# KiCad board panelized.kicad_pcb (continued)
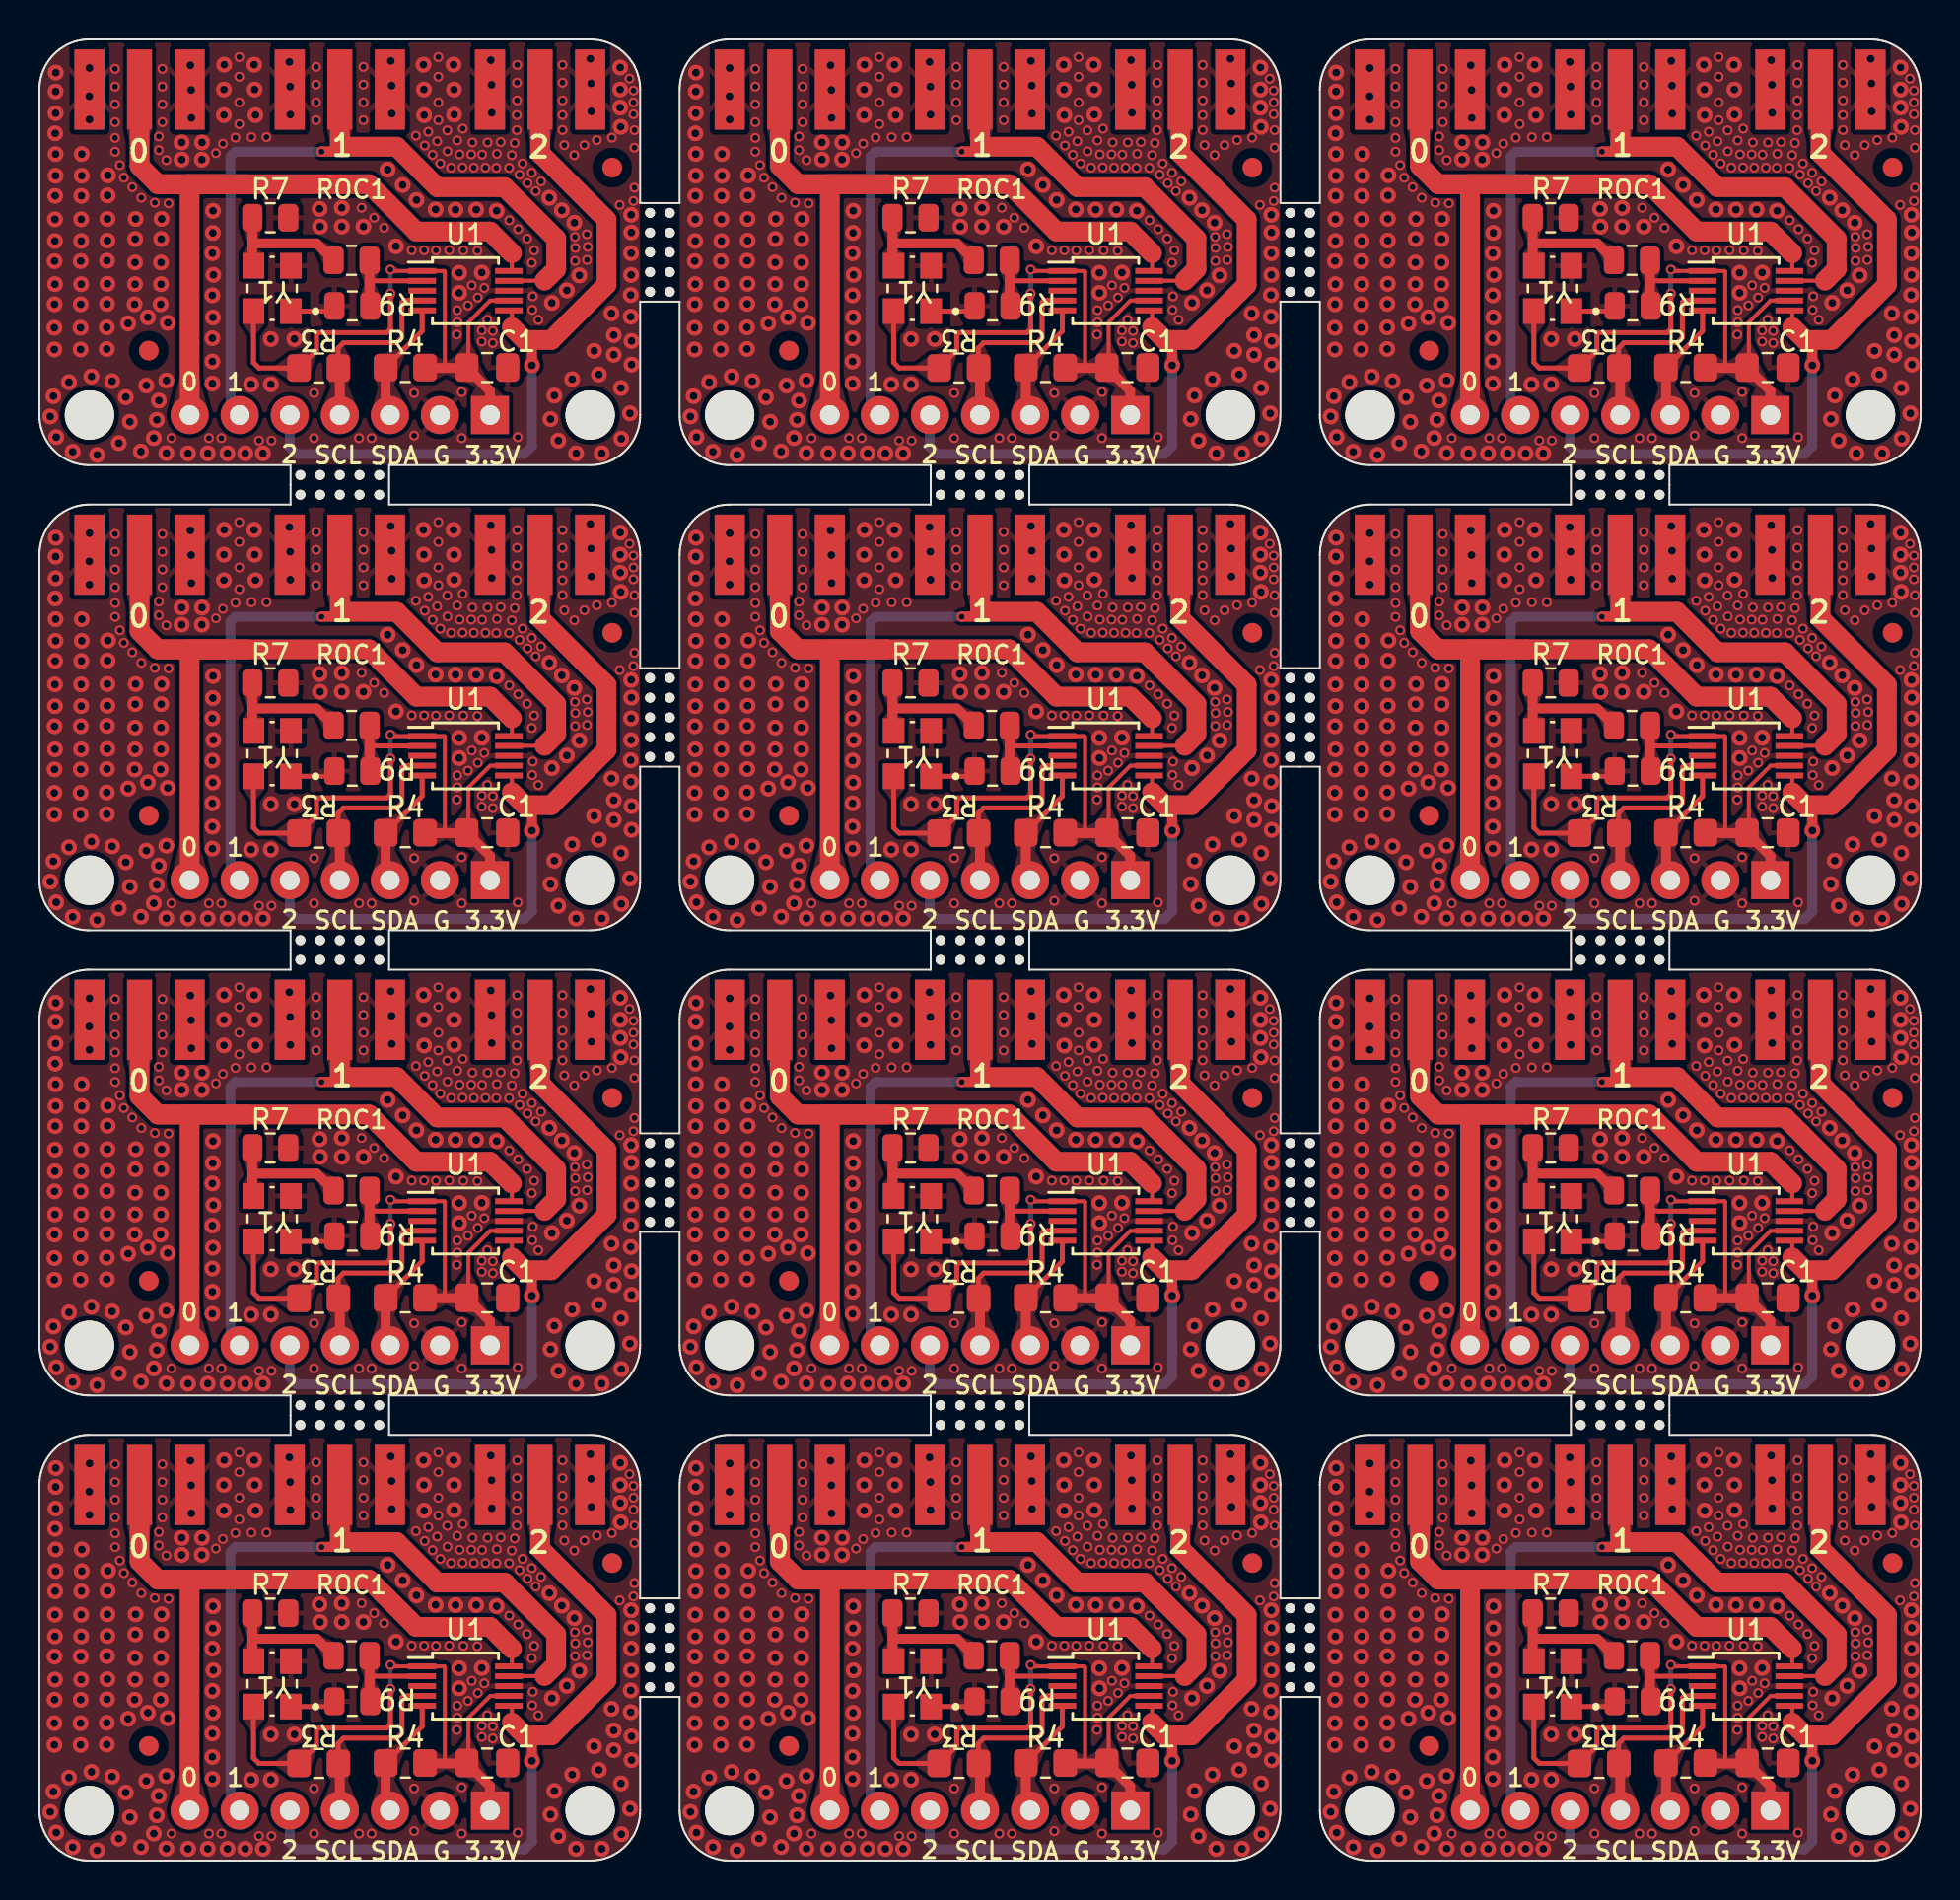
[diagram p0: board, top side]
## Routing (per net, layer and track width the routed paths; a pad name or vN(x,y) marks a point on that pad's centre or on a via; arc(x,y) is an arc through that point) (continued)
Board_11-Net-(U1-XA): length 5
  Top w0.25: U1#7.2 81.76,9.35 81.71,9.3
  Top w0.5: 81.71,8.11 ROC1#10.2
Board_11-Net-(Y1-OUT): length 6.9
  Top w0.5: 75.76,11.25 79.02,11.25 ROC1#10.1 ; 75.76,11.25 75.76,10.17 ; 75.76,11.25 R7#8.1

## Copper pours and planes (outline as drawn; the poured copper is in the pictures)
Board_0-GND on Top: -0.02,92.19 0.03,70.77 30.5,70.81 30.45,92.23
Board_0-GND on Bottom: 0,92.58 -0.01,70.76 30.51,70.83 30.52,92.65
Board_1-GND on Top: 32.46,92.19 32.51,70.77 62.98,70.81 62.93,92.23
Board_1-GND on Bottom: 32.48,92.58 32.47,70.76 62.99,70.83 63,92.65
Board_2-GND on Top: 64.94,92.19 64.99,70.77 95.46,70.81 95.41,92.23
Board_2-GND on Bottom: 64.96,92.58 64.95,70.76 95.47,70.83 95.48,92.65
Board_3-GND on Top: -0.02,68.6 0.03,47.18 30.5,47.22 30.45,68.64
Board_3-GND on Bottom: 0,68.99 -0.01,47.17 30.51,47.24 30.52,69.06
Board_4-GND on Top: 32.46,68.6 32.51,47.18 62.98,47.22 62.93,68.64
Board_4-GND on Bottom: 32.48,68.99 32.47,47.17 62.99,47.24 63,69.06
Board_5-GND on Top: 64.94,68.6 64.99,47.18 95.46,47.22 95.41,68.64
Board_5-GND on Bottom: 64.96,68.99 64.95,47.17 95.47,47.24 95.48,69.06
Board_6-GND on Top: -0.02,45.01 0.03,23.59 30.5,23.63 30.45,45.05
Board_6-GND on Bottom: 0,45.4 -0.01,23.58 30.51,23.65 30.52,45.47
Board_7-GND on Top: 32.46,45.01 32.51,23.59 62.98,23.63 62.93,45.05
Board_7-GND on Bottom: 32.48,45.4 32.47,23.58 62.99,23.65 63,45.47
Board_8-GND on Top: 64.94,45.01 64.99,23.59 95.46,23.63 95.41,45.05
Board_8-GND on Bottom: 64.96,45.4 64.95,23.58 95.47,23.65 95.48,45.47
Board_9-GND on Top: -0.02,21.42 0.03,0 30.5,0.04 30.45,21.46
Board_9-GND on Bottom: 0,21.81 -0.01,-0.01 30.51,0.06 30.52,21.88
Board_10-GND on Top: 32.46,21.42 32.51,0 62.98,0.04 62.93,21.46
Board_10-GND on Bottom: 32.48,21.81 32.47,-0.01 62.99,0.06 63,21.88
Board_11-GND on Top: 64.94,21.42 64.99,0 95.46,0.04 95.41,21.46
Board_11-GND on Bottom: 64.96,21.81 64.95,-0.01 95.47,0.06 95.48,21.88

Small or netless copper shapes (teardrops, artwork), in the pictures only: 396 on Top, 60 on Bottom

## Text on the board
F.Silkscreen: 0 | 1 | 2 | SCL | SDA | G | 3.3V
